# KiCad board sample013-sdi-mipi-video-converter.kicad_pcb (continued)
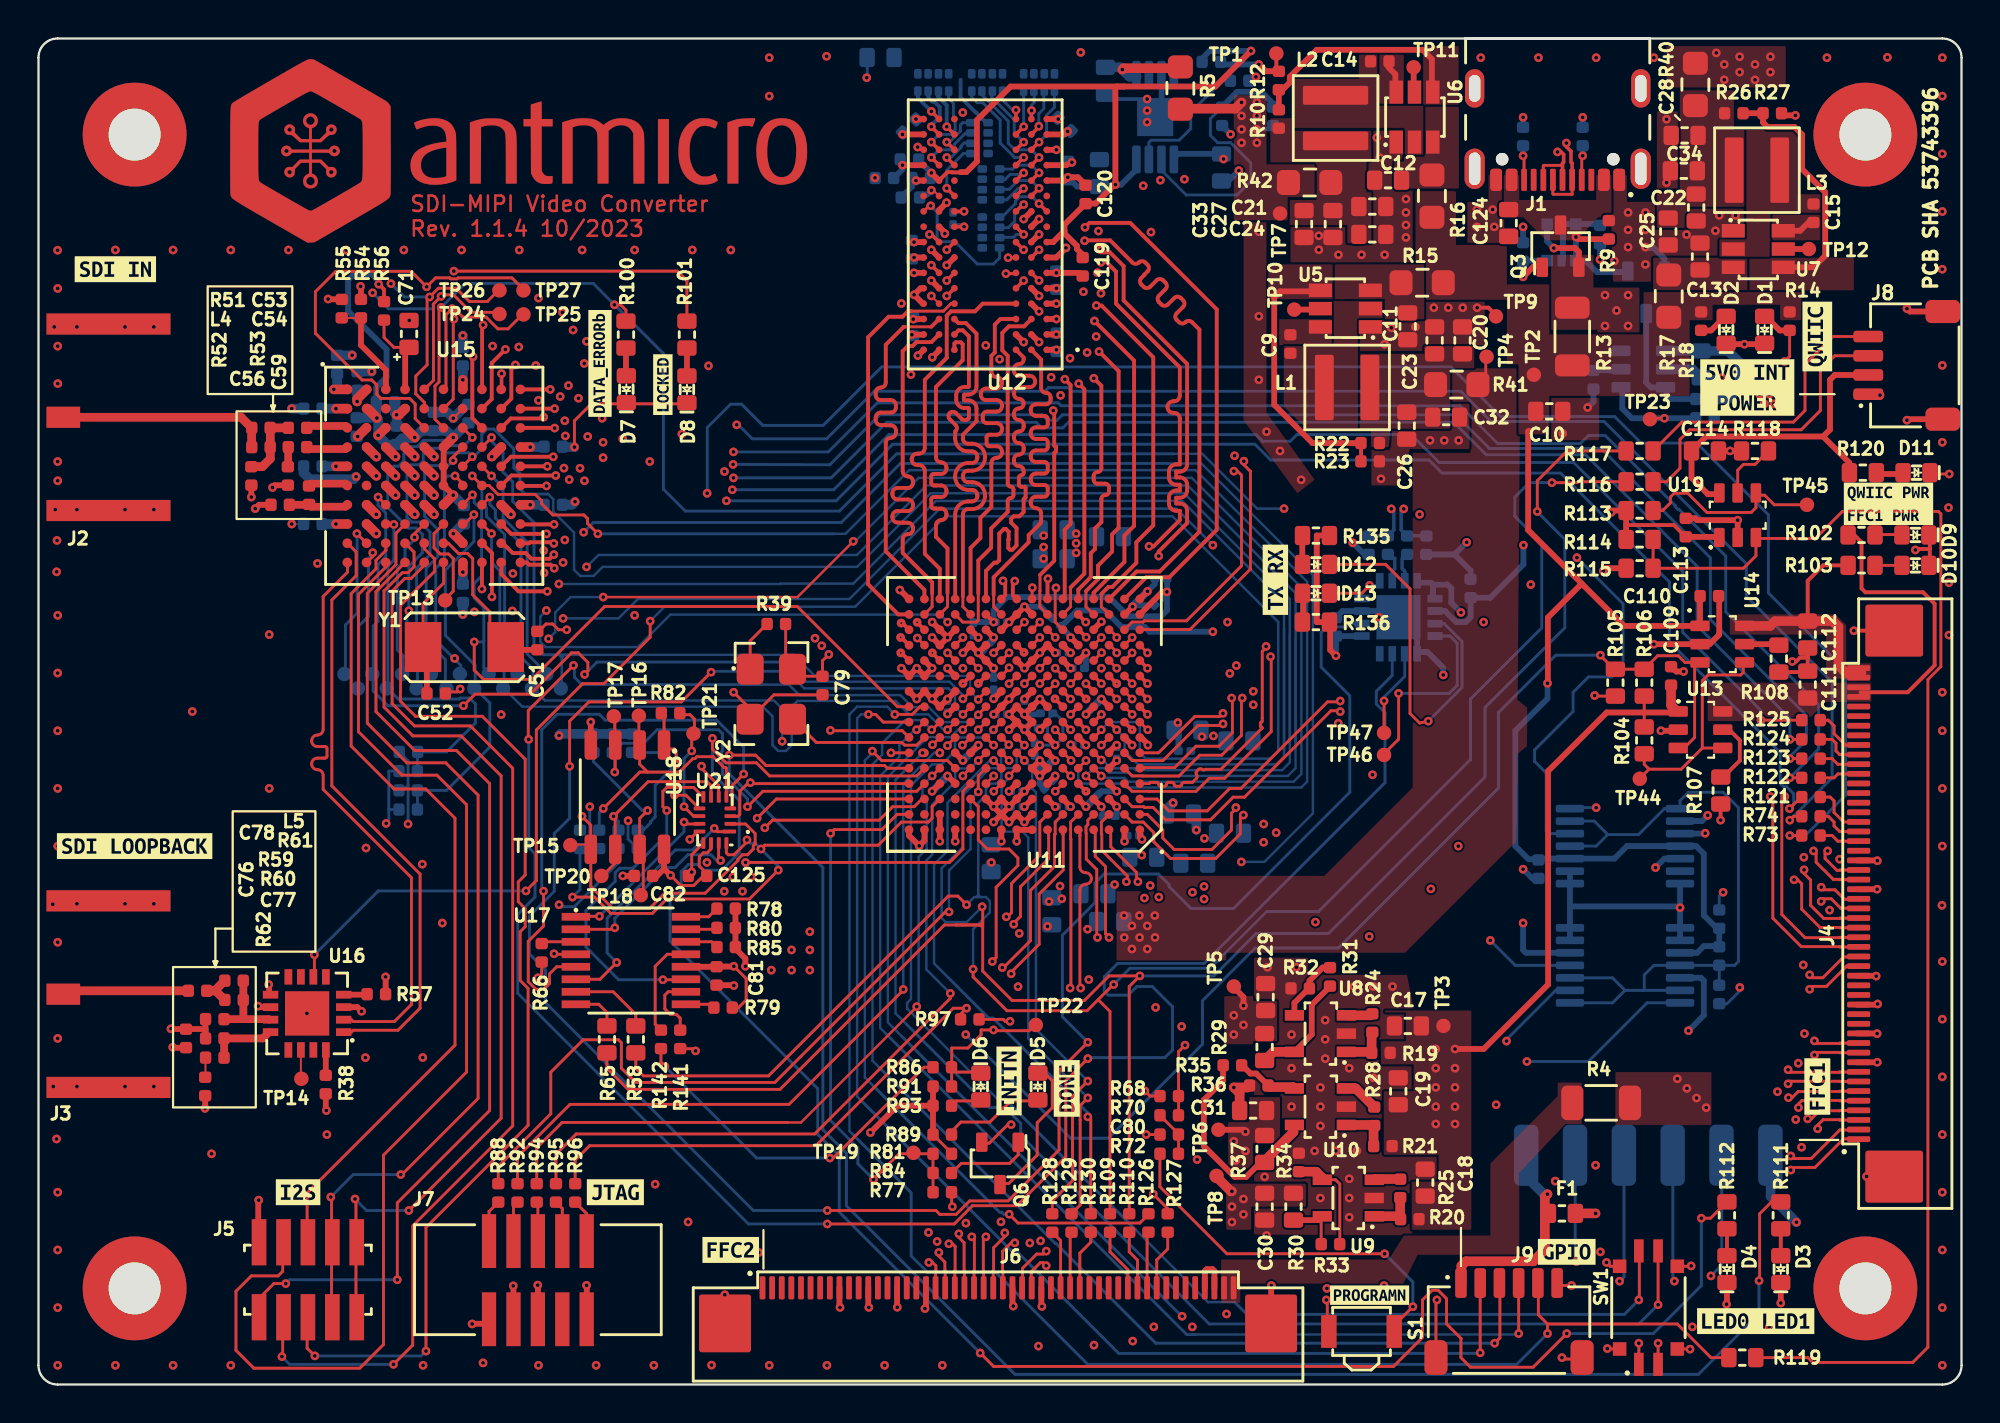
[diagram p0: board, top side]
## Routing (per net, layer and track width the routed paths; a pad name or vN(x,y) marks a point on that pad's centre or on a via; arc(x,y) is an arc through that point) (continued)
/Peripherals/FFC2_3V3: length 2.3
  Top w0.3: 60.65,5.03 60.65,5.9 60.75,6 61.05,6 61.15,5.9 61.15,5.03
/Peripherals/FFC2_RESET: length 26.2
  Top w0.15: 53.72,8.89 54.17,9.34 54.17,13.75 54.17,13.75 54.17,14.5 v1(54.57,14.9) ; 50.45,31.65 50.85,32.05
  Bottom w0.125: v1(50.47,31.65) 50.47,31.55 50.08,31.16 50.08,28.94 50.27,28.75 51.17,28.75 51.47,28.45 51.47,18 v1(54.57,14.9)
/Peripherals/FFC2_VSYNC0: length 26.2
  Top w0.15: v1(54.57,15.78) 53.77,14.98 53.77,10.6 52.72,9.55 52.72,8.89 ; v1(51.27,32.45) 50.94,32.78
  Bottom w0.125: v1(51.27,32.45) 51.67,32.05 51.67,31 51.87,30.8 51.87,18.48 v1(54.57,15.78)
/Peripherals/FFC2_VSYNC1: length 29
  Top w0.15: 54.72,8.89 54.72,13.77 v1(54.57,13.92) ; v1(49.67,32.45) U11.E10
  Bottom w0.125: v1(49.67,32.45) 49.47,32.45 47.27,30.25 47.27,27.75 46.57,27.05 46.57,21.9 47.34,21.13
  Bottom w0.15: 47.34,21.13 49.41,19.06 49.63,19.06 54.57,14.12 v1(54.57,13.92)
/Peripherals/FTDI_VCCIO: length 21.7
  Top w0.3: v1(67.47,37.9) 67.17,38.2 67.17,39.65 66.47,39.65 66.47,44.15 67.17,44.15
  In2.Cu w0.5: v1(67.47,37.9) 68.97,37.9 71.22,40.15 v1(73.97,40.15)
  Bottom w0.3: 72.52,41.6 72.42,41.7 71.69,41.7 ; 72.52,41.6 73.27,41.6 73.47,41.4 73.47,40.65 v1(73.97,40.15) ; 72.52,41.6 72.52,40.88 ; 68.92,38.93 67.48,38.93 ; 67.47,38.92 v1(67.47,37.9)
/Peripherals/MIPI0_CLK_N: length 55
  Top w0.15: v1(92.35,17.14) 92.48,17.27 93.65,17.27 93.67,17.26 94.57,17.26 ; v1(64.07,37.85) 64.1,37.82 64.1,33.95 61.68,31.53 60.88,31.53 60.2,30.85 57.74,30.85 57.73,30.85 56.87,30.85 U11.D2
  In4.Cu w0.168: v1(64.07,37.85) 64.64,38.42 73.18,38.42 79.55,32.05 79.55,29.01 87.59,20.97 87.59,19.93 90.25,17.27 92.22,17.27 v1(92.35,17.14)
/Peripherals/MIPI0_CLK_P: length 55
  Top w0.15: U11.D1 57.75,31.25 57.82,31.31 58.15,31.31 arc(58.22,31.28) 58.25,31.21 arc(58.28,31.14) 58.35,31.11 58.55,31.11 arc(58.62,31.14) 58.65,31.21 arc(58.68,31.28) 58.75,31.31 58.95,31.31 arc(59.02,31.28) 59.05,31.21 arc(59.08,31.14) 59.15,31.11 59.35,31.11 arc(59.42,31.14) 59.45,31.21 arc(59.48,31.28) 59.55,31.31 60,31.31 60.22,31.53 arc(60.26,31.62) 60.22,31.71 arc(60.19,31.8) 60.22,31.89 60.33,31.99 arc(60.42,32.03) 60.51,31.99 arc(60.6,31.96) 60.68,31.99 61.48,31.99 63.64,34.15 arc(63.62,34.18) 63.59,34.2 arc(63.55,34.21) 63.54,34.25 63.54,34.4 arc(63.55,34.43) 63.59,34.45 arc(63.62,34.46) 63.64,34.5 63.64,38.13 63.84,38.33 v1(63.84,38.38) ; 94.57,17.76 93.67,17.76 93.65,17.74 92.48,17.74 v1(92.35,17.87)
  In4.Cu w0.168: v1(92.35,17.87) 92.22,17.74 90.45,17.74 88.07,20.13 88.07,21.17 80.03,29.21 80.03,32.25 73.38,38.9 64.46,38.9 63.94,38.38 v1(63.84,38.38) 63.89,38.38
/Peripherals/MIPI0_D0_N: length 54.4
  Top w0.15: v1(90.98,15.64) 91.11,15.77 93.65,15.77 93.67,15.76 94.57,15.76 ; U11.E2 56.87,31.65 57.41,31.65 57.42,31.64 59.3,31.64 60.39,32.73 61.53,32.73 62.55,33.75 62.55,35.66 v1(62.59,35.7)
  In4.Cu w0.168: v1(62.59,35.7) 62.55,35.74 62.55,36.17 63.08,36.69 64.83,36.69 arc(65.17,36.83) 65.31,37.17 65.31,37.41 66,37.41 66,36.46 arc(66.14,36.12) 66.48,35.98 67.17,35.98 arc(67.5,36.12) 67.64,36.46 67.64,36.69 71.06,36.69 77.68,30.07 77.68,27.43 89.35,15.77 90.85,15.77 v1(90.98,15.64)
/Peripherals/MIPI0_D0_P: length 54.1
  Top w0.15: v1(62.04,35.7) 62.09,35.66 62.09,33.9 61.38,33.19 60.19,33.19 59.08,32.08 57.52,32.08 57.49,32.05 U11.E1 ; 94.57,16.26 93.67,16.26 93.65,16.24 91.11,16.24 v1(90.98,16.37)
  In4.Cu w0.168: v1(90.98,16.37) 90.85,16.24 89.54,16.24 78.16,27.63 78.16,30.27 71.26,37.17 67.64,37.17 arc(67.31,37.03) 67.17,36.69 67.17,36.46 66.48,36.46 66.48,37.41 arc(66.34,37.74) 66,37.88 65.31,37.88 arc(64.97,37.74) 64.83,37.41 64.83,37.17 64.03,37.17 arc(63.84,37.25) 63.76,37.44 arc(63.68,37.64) 63.48,37.72 63.43,37.72 arc(63.24,37.64) 63.16,37.44 arc(63.08,37.25) 62.88,37.17 62.09,36.37 62.09,35.74 v1(62.04,35.7)
/Peripherals/MIPI0_D1_N: length 55.3
  Top w0.15: 94.57,14.76 93.67,14.76 93.65,14.77 91.7,14.77 91.52,14.59 v1(91.52,14.4) ; U11.C2 56.87,30.05 57.47,30.05 57.51,30.01 57.96,30.01 58.6,29.37 60.95,29.37 62.12,30.55 62.71,30.55 67.21,35.04 67.65,35.04 v1(67.69,35)
  In4.Cu w0.168: v1(67.69,35) 67.73,35.03 69.14,35.03 70.74,33.43 arc(71.14,33.27) 71.54,33.43 71.71,33.6 arc(71.77,33.63) 71.83,33.6 72.2,33.23 arc(72.22,33.17) 72.2,33.11 71.4,32.31 arc(71.24,31.92) 71.4,31.52 71.77,31.15 arc(72.16,30.99) 72.56,31.15 73.36,31.95 arc(73.42,31.97) 73.48,31.95 73.85,31.58 arc(73.87,31.52) 73.85,31.46 73.68,31.29 arc(73.51,30.89) 73.68,30.49 75.49,28.69 75.49,26.84 88.29,14.03 90.97,14.03 91.34,14.4 v1(91.52,14.4)
/Peripherals/MIPI0_D1_P: length 55.1
  Top w0.15: U11.C1 58.16,30.45 58.78,29.83 60.77,29.83 61.94,31 62.53,31 67.03,35.5 67.65,35.5 v1(67.69,35.55) ; v1(91,14.92) 91.19,14.92 91.51,15.24 93.65,15.24 93.67,15.26 94.57,15.26
  In4.Cu w0.168: v1(91,14.92) 91,14.74 90.77,14.51 88.49,14.51 75.95,27.04 75.95,28.89 74.02,30.83 arc(73.99,30.89) 74.02,30.95 74.18,31.12 arc(74.35,31.52) 74.18,31.92 73.82,32.28 arc(73.42,32.45) 73.02,32.28 72.23,31.49 arc(72.16,31.46) 72.1,31.49 71.74,31.85 arc(71.71,31.92) 71.74,31.98 72.53,32.77 arc(72.7,33.17) 72.53,33.57 72.17,33.94 arc(71.77,34.1) 71.37,33.94 71.2,33.77 arc(71.14,33.74) 71.08,33.77 69.34,35.51 arc(69.11,35.6) 69.01,35.83 arc(68.92,36.06) 68.69,36.16 68.54,36.16 arc(68.31,36.06) 68.21,35.83 arc(68.12,35.6) 67.89,35.51 67.73,35.51 v1(67.69,35.55)
/Peripherals/MIPI0_D2_N: length 53.5
  Top w0.15: v1(92.52,13.3) 92.52,13.49 92.8,13.77 93.65,13.77 93.67,13.76 94.57,13.76 ; 57.45,32.45 58.47,32.45 60.29,34.27 61.51,34.27 v1(61.6,34.36) ; 57.45,32.45 56.87,32.45 U11.F2
  In4.Cu w0.168: v1(92.52,13.3) 92.34,13.3 91.91,12.87 86.4,12.87 72.32,26.95 arc(72.13,27.42) 72.32,27.89 72.49,28.06 arc(72.55,28.19) 72.49,28.32 72.2,28.62 arc(72.06,28.67) 71.93,28.62 70.99,27.68 arc(70.52,27.49) 70.06,27.68 69.76,27.98 arc(69.57,28.44) 69.76,28.91 70.7,29.85 arc(70.75,29.98) 70.7,30.11 70.4,30.41 arc(70.27,30.46) 70.14,30.41 69.97,30.24 arc(69.5,30.05) 69.03,30.24 68.25,31.02 66.68,31.02 63.31,34.39 61.63,34.39
/Peripherals/MIPI0_D2_P: length 53.6
  Top w0.15: v1(61.6,34.91) 61.43,34.74 60.13,34.74 58.24,32.85 U11.F1 ; v1(92,13.82) 92.19,13.82 92.61,14.24 93.65,14.24 93.67,14.26 94.57,14.26
  In4.Cu w0.168: v1(92,13.82) 92,13.64 91.71,13.35 86.6,13.35 72.66,27.29 arc(72.6,27.42) 72.66,27.55 72.83,27.72 arc(73.02,28.19) 72.83,28.66 72.53,28.95 arc(72.06,29.15) 71.59,28.95 70.66,28.02 arc(70.52,27.96) 70.39,28.02 70.1,28.31 arc(70.04,28.44) 70.1,28.58 71.03,29.51 arc(71.23,29.98) 71.03,30.45 70.74,30.75 arc(70.27,30.94) 69.8,30.75 69.63,30.58 arc(69.5,30.52) 69.37,30.58 68.45,31.5 66.88,31.5 64.59,33.79 arc(64.5,34) 64.59,34.21 64.7,34.33 arc(64.79,34.54) 64.7,34.75 arc(64.49,34.84) 64.28,34.75 64.16,34.64 arc(63.95,34.55) 63.74,34.64 63.51,34.87 61.63,34.87
/Peripherals/MIPI0_D3_N: length 54.1
  Top w0.15: v1(91.12,11.15) 91.25,11.29 92.38,11.29 93.86,12.77 94.1,12.77 ; v1(62.65,29.62) 62.6,29.62 62.5,29.52 62.5,28.64 61.22,27.36 58.86,27.36 58,28.22 58,28.7 57.45,29.25 56.87,29.25 U11.B2
  In4.Cu w0.168: v1(91.12,11.15) 90.99,11.28 84.17,11.28 75.87,19.58 arc(75.68,20.05) 75.87,20.52 76.04,20.69 arc(76.09,20.82) 76.04,20.95 75.35,21.64 arc(75.22,21.69) 75.09,21.64 74.15,20.7 arc(73.68,20.51) 73.21,20.7 72.53,21.39 arc(72.34,21.85) 72.53,22.32 73.47,23.26 arc(73.52,23.39) 73.47,23.53 72.78,24.21 arc(72.65,24.26) 72.52,24.21 72.35,24.04 arc(71.88,23.85) 71.41,24.04 65.44,30.01 63,30.01 62.65,29.67 v1(62.65,29.62)
/Peripherals/MIPI0_D3_P: length 53.9
  Top w0.15: v1(62.27,30) 62.27,29.95 62.03,29.71 62.03,28.83 61.02,27.82 59.06,27.82 58.46,28.42 58.46,28.85 57.66,29.65 U11.B1 ; v1(91.12,11.89) 91.25,11.75 92.18,11.75 93.67,13.24 94.1,13.24
  In4.Cu w0.168: 62.32,30 62.8,30.49 63.01,30.49 arc(63.22,30.58) 63.31,30.79 63.31,30.89 arc(63.4,31.1) 63.61,31.19 arc(63.82,31.1) 63.91,30.89 63.91,30.79 arc(64,30.58) 64.21,30.49 65.64,30.49 71.75,24.38 arc(71.88,24.32) 72.01,24.38 72.18,24.55 arc(72.65,24.74) 73.12,24.55 73.8,23.86 arc(74,23.39) 73.8,22.92 72.87,21.99 arc(72.81,21.85) 72.87,21.72 73.55,21.04 arc(73.68,20.98) 73.82,21.04 74.75,21.97 arc(75.22,22.17) 75.69,21.97 76.37,21.29 arc(76.57,20.82) 76.37,20.35 76.21,20.19 arc(76.15,20.05) 76.21,19.92 84.37,11.76 90.99,11.76 v1(91.12,11.89)
/Peripherals/MIPI1_CLK_N: length 34
  Top w0.15: v1(52.4,6.94) 52.25,6.79 51.91,6.79 51.17,6.05 51.17,5.5 ; U11.B5 53.67,29.25 53.67,28.37 53.69,28.35 53.69,20.66 v1(53.65,20.62)
  In4.Cu w0.168: v1(52.4,6.94) 52.55,6.8 53.5,6.8 53.68,6.98 53.68,9.37 arc(53.64,9.46) 53.55,9.5 53.14,9.5 arc(52.71,9.68) 52.53,10.11 arc(52.71,10.54) 53.14,10.72 54.7,10.72 arc(54.79,10.76) 54.83,10.85 arc(54.79,10.95) 54.7,10.99 54.29,10.99 arc(53.86,11.17) 53.68,11.6 53.68,16.88 arc(53.59,17.1) 53.37,17.19 53.13,17.19 arc(52.58,17.42) 52.34,17.98 arc(52.58,18.53) 53.13,18.77 54.71,18.77 arc(54.93,18.86) 55.02,19.08 arc(54.93,19.3) 54.71,19.39 54.47,19.39 arc(53.91,19.62) 53.68,20.18 53.68,20.58 v1(53.65,20.62)
/Peripherals/MIPI1_CLK_P: length 33.7
  Top w0.15: 54.16,28.76 54.16,28.54 54.15,28.53 54.15,26.92 arc(54.24,26.7) 54.45,26.62 arc(54.67,26.53) 54.75,26.32 arc(54.67,26.1) 54.45,26.02 arc(54.24,25.93) 54.15,25.72 54.15,20.66 v1(54.19,20.62) ; v1(52.4,6.18) 52.25,6.33 52.09,6.33 51.62,5.87 51.62,5.5
  In4.Cu w0.168: v1(52.4,6.18) 52.55,6.32 53.7,6.32 54.16,6.78 54.16,9.37 arc(53.98,9.8) 53.55,9.98 53.14,9.98 arc(53.05,10.02) 53.01,10.11 arc(53.05,10.21) 53.14,10.25 54.7,10.25 arc(55.13,10.42) 55.31,10.85 arc(55.13,11.29) 54.7,11.46 54.29,11.46 arc(54.2,11.5) 54.16,11.6 54.16,16.88 arc(53.93,17.43) 53.37,17.67 53.13,17.67 arc(52.91,17.76) 52.82,17.98 arc(52.91,18.2) 53.13,18.29 54.71,18.29 arc(55.26,18.52) 55.5,19.08 arc(55.26,19.63) 54.71,19.87 54.47,19.87 arc(54.25,19.96) 54.16,20.18 54.16,20.58 v1(54.19,20.62)
/Peripherals/MIPI1_D0_N: length 33.3
  Top w0.15: v1(55.07,23.25) 55.03,23.29 55.03,26.78 54.49,27.32 54.49,28.67 ; 54.47,28.68 54.47,29.02 54.57,29.12 54.57,29.35 U11.B4 ; 49.65,5.03 49.65,5.93 49.67,5.94 49.67,7.12 50.25,7.7 v1(50.25,7.89)
  In4.Cu w0.168: v1(50.25,7.89) 50.43,7.89 51.33,8.79 51.33,11.15 arc(51.29,11.25) 51.2,11.29 50.76,11.29 arc(50.33,11.46) 50.16,11.9 arc(50.33,12.33) 50.76,12.5 52.38,12.5 arc(52.47,12.54) 52.51,12.64 arc(52.47,12.73) 52.38,12.77 51.94,12.77 arc(51.51,12.95) 51.33,13.38 arc(51.51,13.81) 51.94,13.99 52.38,13.99 arc(52.47,14.03) 52.51,14.12 arc(52.47,14.22) 52.38,14.26 51.94,14.26 arc(51.51,14.44) 51.33,14.87 51.33,20.06 52.82,21.55 53.6,21.55 55.13,23.08 55.13,23.19 v1(55.07,23.25)
/Peripherals/MIPI1_D0_P: length 33
  Top w0.15: v1(55.67,23.25) 55.48,23.44 55.48,26.94 54.95,27.48 54.95,28.67 ; v1(50.77,7.37) 50.58,7.37 50.13,6.92 50.13,5.94 50.15,5.93 50.15,5.03
  In4.Cu w0.168: v1(50.77,7.37) 50.77,7.55 51.81,8.59 51.81,11.15 arc(51.63,11.58) 51.2,11.76 50.76,11.76 arc(50.67,11.8) 50.63,11.9 arc(50.67,11.99) 50.76,12.03 52.38,12.03 arc(52.81,12.21) 52.98,12.64 arc(52.81,13.07) 52.38,13.25 51.94,13.25 arc(51.85,13.29) 51.81,13.38 arc(51.85,13.48) 51.94,13.52 52.38,13.52 arc(52.81,13.69) 52.98,14.12 arc(52.81,14.56) 52.38,14.73 51.94,14.73 arc(51.85,14.77) 51.81,14.87 51.81,19.86 53.02,21.07 53.8,21.07 54.58,21.85 arc(54.77,21.93) 54.96,21.85 55,21.81 arc(55.19,21.73) 55.39,21.81 arc(55.47,22.01) 55.39,22.2 55.35,22.24 arc(55.27,22.43) 55.35,22.63 55.61,22.88 55.61,23.19 v1(55.67,23.25)
/Peripherals/MIPI1_D1_N: length 34.4
  Top w0.15: U11.B6 52.87,29.25 52.87,28.62 52.86,28.62 52.83,28.6 52.83,26.94 51.58,25.69 51.58,23.08 50.21,21.71 50.15,21.71 v1(50.12,21.68) ; 48.65,5.03 48.65,5.93 48.67,5.94 48.67,7.55 v1(48.53,7.68)
  In4.Cu w0.168: v1(48.53,7.68) 48.66,7.81 48.66,10.13 48.67,10.14 48.66,10.14 48.66,12.09 arc(48.59,12.27) 48.4,12.35 48.16,12.35 arc(47.64,12.57) 47.42,13.09 47.42,13.34 arc(47.64,13.86) 48.16,14.08 49.64,14.08 arc(49.82,14.15) 49.9,14.34 49.9,14.59 arc(49.82,14.77) 49.64,14.85 48.16,14.85 arc(47.64,15.07) 47.42,15.59 47.42,15.84 arc(47.64,16.36) 48.16,16.58 49.64,16.58 arc(49.82,16.65) 49.9,16.84 49.9,17.09 arc(49.82,17.27) 49.64,17.35 49.4,17.35 arc(48.88,17.57) 48.66,18.09 48.66,20.18 50.15,21.66
/Peripherals/MIPI1_D1_P: length 34.3
  Top w0.15: v1(49.27,7.68) 49.13,7.55 49.13,5.94 49.15,5.93 49.15,5.03 ; U11.A6 53.27,28.62 53.29,28.6 53.29,26.76 52.04,25.51 52.04,22.9 50.53,21.39
  In4.Cu w0.168: v1(49.27,7.68) 49.14,7.81 49.14,10.13 49.13,10.14 49.14,10.14 49.14,12.09 arc(48.92,12.61) 48.4,12.83 48.16,12.83 arc(47.98,12.9) 47.9,13.09 47.9,13.34 arc(47.98,13.52) 48.16,13.6 49.64,13.6 arc(50.16,13.82) 50.38,14.34 50.38,14.59 arc(50.16,15.11) 49.64,15.33 48.16,15.33 arc(47.98,15.4) 47.9,15.59 47.9,15.84 arc(47.98,16.02) 48.16,16.1 49.64,16.1 arc(50.16,16.32) 50.38,16.84 50.38,17.09 arc(50.16,17.61) 49.64,17.83 49.4,17.83 arc(49.21,17.9) 49.14,18.09 49.14,20 49.27,20.13 arc(49.48,20.22) 49.69,20.13 49.76,20.06 arc(49.98,19.97) 50.19,20.06 arc(50.28,20.27) 50.19,20.48 50.12,20.55 arc(50.03,20.77) 50.12,20.98 50.5,21.36 v1(50.58,21.36)
/Peripherals/MIPI1_D2_N: length 33.7
  Top w0.15: v1(56.57,26.15) 56.64,26.22 56.64,26.43 55.29,27.78 55.29,28.63 ; U11.B3 55.27,29.25 55.27,28.64 ; v1(47.34,7.32) 47.53,7.32 47.67,7.18 47.67,5.94 47.65,5.93 47.65,5.03
  In4.Cu w0.168: v1(56.57,26.15) 56.64,26.08 56.64,25.77 56.3,25.43 54.66,25.43 52.22,22.99 48.47,22.99 46.07,20.59 46.07,8.77 47.34,7.5 v1(47.34,7.32)
/Peripherals/MIPI1_D2_P: length 33.2
  Top w0.15: v1(47.86,7.84) 47.86,7.65 48.13,7.38 48.13,5.94 48.15,5.93 48.15,5.03 ; 55.76,28.63 55.76,27.97 57.1,26.63 57.1,26.22 v1(57.17,26.15)
  In4.Cu w0.168: v1(47.86,7.84) 47.68,7.84 46.55,8.97 46.55,20.39 48.67,22.51 52.41,22.51 54.87,24.97 55.16,24.97 arc(55.34,24.89) 55.41,24.72 55.41,24.67 arc(55.49,24.49) 55.66,24.42 arc(55.84,24.49) 55.91,24.67 55.91,24.72 arc(55.99,24.89) 56.16,24.97 56.5,24.97 57.1,25.57 57.1,26.08 v1(57.17,26.15)
/Peripherals/MIPI1_D3_N: length 33.5
  Top w0.15: v1(50.33,24.32) 50.38,24.32 50.6,24.54 50.6,26.06 52.07,27.53 52.07,29.25 U11.B7 ; v1(46.3,6.35) 46.49,6.35 46.67,6.17 46.67,5.94 46.65,5.93 46.65,5.03
  In4.Cu w0.168: v1(46.3,6.35) 46.3,6.53 45.79,7.04 arc(45.76,7.03) 45.74,6.99 arc(45.73,6.96) 45.69,6.94 45.44,6.94 arc(45.41,6.96) 45.39,6.99 arc(45.38,7.03) 45.34,7.04 44.48,7.04 43.93,7.59 43.93,23.25 44.77,24.09 50.15,24.09 50.33,24.27 v1(50.33,24.32)
/Peripherals/MIPI1_D3_P: length 33.4
  Top w0.15: 52.53,28.79 52.53,28.56 52.53,27.35 51.06,25.88 51.06,24.34 50.71,23.99 v1(50.71,23.94) ; 47.15,5.03 47.15,5.93 47.13,5.94 47.13,6.37 46.82,6.68 v1(46.82,6.87)
  In4.Cu w0.168: 50.66,23.94 v1(50.71,23.94) 50.66,23.94 50.33,23.61 47.56,23.61 arc(47.35,23.52) 47.26,23.31 47.26,23.16 arc(47.17,22.95) 46.96,22.86 arc(46.75,22.95) 46.66,23.16 46.66,23.31 arc(46.57,23.52) 46.36,23.61 44.97,23.61 44.41,23.05 44.41,7.77 44.66,7.52 45.99,7.52 46.64,6.87 v1(46.82,6.87)
/Peripherals/MIPI2_CLK_N: length 71.3
  Top w0.15: v1(92.3,27.75) 92.44,27.62 92.44,27.16 93.33,26.27 93.65,26.27 93.67,26.26 94.57,26.26 ; v1(62.16,47.5) 62.35,47.5 62.56,47.29 62.56,42.58 59.7,39.72 57.5,39.72 57.44,39.65 56.87,39.65 U11.P2
  In4.Cu w0.168: v1(92.3,27.75) 92.43,27.88 92.43,38.62 92.32,38.74 arc(92.26,38.76) 92.21,38.74 arc(92.16,38.72) 92.1,38.74 92,38.84 arc(91.98,38.9) 92,38.95 arc(92.02,39) 92,39.06 86.75,44.3 arc(86.57,44.73) 86.75,45.17 87.06,45.47 arc(87.1,45.57) 87.06,45.67 arc(86.96,45.71) 86.87,45.67 85.72,44.52 arc(85.29,44.34) 84.86,44.52 arc(84.68,44.96) 84.86,45.39 86,46.53 arc(86.04,46.63) 86,46.73 arc(85.9,46.77) 85.81,46.73 84.66,45.58 arc(84.23,45.4) 83.8,45.58 arc(83.62,46.02) 83.8,46.45 84.94,47.59 arc(84.98,47.69) 84.94,47.79 arc(84.84,47.83) 84.75,47.79 84.44,47.48 arc(84.01,47.3) 83.57,47.48 83.23,47.82 65.44,47.82 64.79,47.17 62.67,47.17 62.34,47.5 v1(62.16,47.5)
/Peripherals/MIPI2_CLK_P: length 71.4
  Top w0.15: v1(93.04,27.75) 92.9,27.62 92.9,27.36 93.52,26.74 93.65,26.74 93.67,26.76 94.57,26.76 ; v1(62.68,48.02) 62.68,47.83 63.02,47.49 63.02,42.4 59.88,39.27 57.28,39.27
  In4.Cu w0.168: v1(93.04,27.75) 92.91,27.88 92.91,38.82 87.09,44.64 arc(87.05,44.73) 87.09,44.83 87.4,45.14 arc(87.58,45.57) 87.4,46 arc(86.96,46.18) 86.53,46 85.39,44.86 arc(85.29,44.82) 85.19,44.86 arc(85.15,44.96) 85.19,45.05 86.34,46.2 arc(86.52,46.63) 86.34,47.06 arc(85.9,47.24) 85.47,47.06 84.33,45.92 arc(84.23,45.88) 84.13,45.92 arc(84.09,46.02) 84.13,46.11 85.28,47.26 arc(85.45,47.69) 85.28,48.12 arc(84.84,48.3) 84.41,48.12 84.1,47.82 arc(84.01,47.78) 83.91,47.82 83.43,48.3 65.24,48.3 64.59,47.65 64.07,47.65 arc(63.91,47.71) 63.84,47.87 arc(63.78,48.03) 63.62,48.1 63.57,48.1 arc(63.41,48.03) 63.34,47.87 arc(63.28,47.71) 63.12,47.65 62.87,47.65 62.68,47.84 v1(62.68,48.02)
/Peripherals/MIPI2_D0_N: length 69.6
  Top w0.15: v1(92.7,25.13) 92.84,25.26 93.23,25.26 93.71,24.77 94.1,24.77 ; 55.71,38.45 56.07,38.09 v1(56.07,38.05)
  In4.Cu w0.15: v1(56.07,38.05) 56.47,38.45 56.47,39.02 56.7,39.25 57.12,39.25
  In4.Cu w0.168: v1(92.7,25.13) 92.57,25.26 88.73,25.26 85.28,28.7 85.28,35.2 83.53,36.95 arc(83.44,36.99) 83.34,36.95 82.99,36.6 arc(82.56,36.42) 82.13,36.6 arc(81.95,37.03) 82.13,37.46 83.11,38.44 arc(83.12,38.47) 83.11,38.49 82.97,38.63 arc(82.94,38.64) 82.92,38.63 82.75,38.46 arc(82.39,38.31) 82.02,38.46 arc(81.85,38.89) 82.02,39.32 82.37,39.67 arc(82.41,39.77) 82.37,39.86 arc(82.28,39.9) 82.18,39.86 80.96,38.64 arc(80.53,38.46) 80.1,38.64 arc(79.92,39.07) 80.1,39.5 81.32,40.72 arc(81.36,40.82) 81.32,40.91 arc(81.23,40.95) 81.13,40.91 80.78,40.56 arc(80.35,40.38) 79.92,40.56 78.02,42.47 74.54,42.47 arc(74.49,42.45) 74.47,42.4 74.47,42.17 arc(74.31,41.79) 73.94,41.63 73.69,41.63 arc(73.31,41.79) 73.15,42.17 73.15,43.23 arc(73.13,43.28) 73.09,43.3 72.84,43.3 arc(72.79,43.28) 72.77,43.23 72.77,42.17 arc(72.61,41.79) 72.24,41.63 71.99,41.63 arc(71.61,41.79) 71.45,42.17 71.45,43.23 arc(71.43,43.28) 71.39,43.3 71.14,43.3 arc(71.09,43.28) 71.07,43.23 71.07,42.17 arc(70.91,41.79) 70.54,41.63 70.29,41.63 arc(69.91,41.79) 69.75,42.17 69.75,43.23 arc(69.73,43.28) 69.69,43.3 69.44,43.3 arc(69.39,43.28) 69.37,43.23 69.37,43 arc(69.21,42.62) 68.84,42.47 63.47,42.47 60.25,39.25 57.12,39.25
/Peripherals/MIPI2_D0_P: length 70.1
  Top w0.15: v1(56.07,38.85) 56.07,38.89 55.71,39.25 ; 94.1,25.24 93.91,25.24 93.42,25.73 92.84,25.73 v1(92.7,25.86)
  In4.Cu w0.15: v1(56.07,38.85) 56.07,39.15 56.67,39.75 56.97,39.75
  In4.Cu w0.168: v1(92.7,25.86) 92.57,25.73 88.92,25.73 88.82,25.83 arc(88.81,25.87) 88.82,25.9 arc(88.84,25.94) 88.82,25.97 88.7,26.09 arc(88.67,26.11) 88.63,26.09 arc(88.6,26.08) 88.56,26.09 85.76,28.9 85.76,35.4 83.87,37.29 arc(83.44,37.47) 83.01,37.29 82.66,36.94 arc(82.56,36.9) 82.47,36.94 arc(82.43,37.03) 82.47,37.13 83.44,38.1 arc(83.59,38.47) 83.44,38.83 83.31,38.96 arc(82.94,39.11) 82.58,38.96 82.41,38.8 arc(82.39,38.79) 82.36,38.8 arc(82.32,38.89) 82.36,38.99 82.71,39.34 arc(82.89,39.77) 82.71,40.2 arc(82.28,40.38) 81.85,40.2 80.62,38.97 arc(80.53,38.93) 80.43,38.97 arc(80.39,39.07) 80.43,39.16 81.66,40.39 arc(81.84,40.82) 81.66,41.25 arc(81.23,41.43) 80.8,41.25 80.45,40.9 arc(80.35,40.86) 80.26,40.9 78.22,42.93 74.54,42.93 arc(74.16,42.78) 74,42.4 74,42.17 arc(73.98,42.12) 73.94,42.1 73.69,42.1 arc(73.64,42.12) 73.62,42.17 73.62,43.23 arc(73.46,43.61) 73.09,43.77 72.84,43.77 arc(72.46,43.61) 72.3,43.23 72.3,42.17 arc(72.28,42.12) 72.24,42.1 71.99,42.1 arc(71.94,42.12) 71.92,42.17 71.92,43.23 arc(71.76,43.61) 71.39,43.77 71.14,43.77 arc(70.76,43.61) 70.6,43.23 70.6,42.17 arc(70.58,42.12) 70.54,42.1 70.29,42.1 arc(70.24,42.12) 70.22,42.17 70.22,43.23 arc(70.06,43.61) 69.69,43.77 69.44,43.77 arc(69.06,43.61) 68.9,43.23 68.9,43 arc(68.88,42.95) 68.84,42.93 63.27,42.93 60.09,39.75 58.64,39.75 arc(58.43,39.84) 58.34,40.05 arc(58.25,40.26) 58.04,40.35 arc(57.83,40.26) 57.74,40.05 arc(57.65,39.84) 57.44,39.75 56.97,39.75
/Peripherals/MIPI2_D1_N: length 71.6
  Top w0.15: 94.57,23.76 93.67,23.76 93.65,23.77 92.64,23.77 91.69,24.72 91.69,26.04 91.48,26.25 v1(91.29,26.25) ; U11.M4 v1(55.28,38.06)
  In4.Cu w0.15: v1(55.28,38.06) 55.68,38.46 55.68,38.68 55.67,38.68 55.67,39.15 56.07,39.55 56.07,39.87 56.1,39.91
  In4.Cu w0.168: v1(91.29,26.25) 91.29,26.44 87.32,30.41 87.32,37.87 86.7,38.49 arc(86.5,38.97) 86.7,39.46 86.87,39.62 arc(86.93,39.77) 86.87,39.93 86.85,39.94 arc(86.7,40) 86.55,39.94 85.58,38.97 arc(85.1,38.77) 84.61,38.97 84.6,38.98 arc(84.4,39.47) 84.6,39.95 85.57,40.92 arc(85.63,41.07) 85.57,41.22 85.56,41.24 arc(85.4,41.3) 85.25,41.24 84.28,40.27 arc(83.8,40.07) 83.32,40.27 83.3,40.28 arc(83.1,40.77) 83.3,41.25 84.27,42.22 arc(84.33,42.37) 84.27,42.52 84.26,42.54 arc(84.1,42.6) 83.95,42.54 82.98,41.57 arc(82.5,41.37) 82.02,41.57 82,41.58 arc(81.8,42.06) 82,42.55 82.97,43.52 arc(83.03,43.67) 82.97,43.82 82.96,43.83 arc(82.81,43.9) 82.65,43.83 81.74,42.92 arc(81.31,42.74) 80.88,42.92 80.76,43.04 arc(80.58,43.47) 80.76,43.9 80.92,44.07 arc(80.97,44.16) 80.92,44.26 80.79,44.4 60.95,44.4 58.32,41.77 57.52,41.77 56.1,40.35 56.1,39.91
/Peripherals/MIPI2_D1_P: length 71.5
  Top w0.15: v1(55.27,38.85) U11.N4 ; v1(91.81,26.77) 91.81,26.58 92.15,26.23 92.15,24.92 92.83,24.24 93.65,24.24 93.67,24.26 94.57,24.26
  In4.Cu w0.15: v1(55.27,38.85) 55.27,39.11 55.66,39.51 55.66,39.88 55.64,39.91
  In4.Cu w0.168: v1(91.81,26.77) 91.62,26.77 87.78,30.6 arc(87.8,30.64) 87.83,30.65 arc(87.87,30.67) 87.88,30.7 87.88,31.1 arc(87.87,31.14) 87.83,31.15 arc(87.8,31.17) 87.78,31.2 87.78,38.07 87.03,38.82 arc(86.97,38.97) 87.03,39.12 87.2,39.29 arc(87.4,39.77) 87.2,40.26 87.18,40.27 arc(86.7,40.47) 86.22,40.27 85.25,39.3 arc(85.1,39.24) 84.94,39.3 84.93,39.32 arc(84.87,39.47) 84.93,39.62 85.9,40.59 arc(86.1,41.07) 85.9,41.56 85.89,41.57 arc(85.4,41.77) 84.92,41.57 83.95,40.6 arc(83.8,40.54) 83.65,40.6 83.63,40.61 arc(83.57,40.77) 83.63,40.92 84.6,41.89 arc(84.8,42.37) 84.6,42.85 84.59,42.87 arc(84.1,43.07) 83.62,42.87 82.65,41.9 arc(82.5,41.84) 82.35,41.9 82.34,41.91 arc(82.27,42.06) 82.34,42.22 83.3,43.18 arc(83.5,43.67) 83.3,44.15 83.29,44.16 arc(82.81,44.37) 82.32,44.16 81.41,43.25 arc(81.31,43.21) 81.21,43.25 81.09,43.37 arc(81.05,43.47) 81.09,43.57 81.26,43.73 arc(81.43,44.16) 81.26,44.6 80.99,44.86 60.75,44.86 58.12,42.23 57.32,42.23 55.64,40.55 55.64,39.91
/Peripherals/MIPI2_D2_N: length 67.7
  Top w0.15: v1(90.05,30.58) 90.19,30.44 90.19,30.43 90.19,24.25 91.67,22.77 93.65,22.77 93.67,22.76 94.57,22.76 ; U11.M7 v1(52.07,37.25)
  In4.Cu w0.15: v1(52.07,37.25) 52.47,37.66 53.03,37.66 53.27,37.89 53.27,38.95
  In4.Cu w0.168: 53.27,38.95 53.27,39.2 53.15,39.32 53.15,39.7 53.71,40.25 arc(53.9,40.34) 54.09,40.25 54.2,40.15 arc(54.39,40.07) 54.59,40.15 arc(54.67,40.34) 54.59,40.54 54.48,40.64 arc(54.4,40.84) 54.48,41.03 54.79,41.34 arc(55,41.43) 55.21,41.34 55.36,41.2 arc(55.57,41.11) 55.78,41.2 arc(55.87,41.41) 55.78,41.62 55.64,41.76 arc(55.55,41.98) 55.64,42.19 59.43,45.98 82.16,45.98 90.19,37.95 90.19,30.72 v1(90.05,30.58)
/Peripherals/MIPI2_D2_P: length 67.2
  Top w0.15: v1(90.81,30.58) 90.65,30.42 90.65,24.45 91.86,23.24 93.65,23.24 93.67,23.26 94.57,23.26 ; U11.L7 v1(52.07,36.45)
  In4.Cu w0.15: v1(52.07,36.45) 51.67,36.85 51.67,37.68 51.67,38.27 51.84,38.44 52.24,38.44 52.47,38.67 52.47,39.1
  In4.Cu w0.168: v1(90.81,30.58) 90.67,30.72 90.67,38.15 82.36,46.46 59.25,46.46 52.69,39.9 52.69,39.32 52.47,39.1
/Peripherals/MIPI2_D3_N: length 68.6
  Top w0.15: U11.K7 v1(52.87,36.45) ; 94.06,21.75 94.04,21.77 92.97,20.7 92.25,20.7 v1(92.1,20.56)
  In4.Cu w0.15: v1(52.87,36.45) 53.27,36.85 53.92,36.85 54.07,37 ; 56.42,37 56.39,37 56.24,36.85 55.9,36.85 55.75,37 55.59,37 55.44,36.85 55.1,36.85 54.96,36.99 ; 58.02,37 57.87,36.85 57.51,36.85 57.36,37 57.32,37
  In4.Cu w0.168: 58.02,37 60.97,37 64.64,40.67 65.1,40.67 arc(65.2,40.63) 65.24,40.54 65.24,40.1 arc(65.41,39.67) 65.85,39.49 arc(66.28,39.67) 66.45,40.1 66.45,41.57 arc(66.49,41.67) 66.59,41.71 arc(66.68,41.67) 66.72,41.57 66.72,40.1 arc(66.9,39.67) 67.33,39.49 arc(67.76,39.67) 67.94,40.1 67.94,41.57 arc(67.98,41.67) 68.07,41.71 arc(68.17,41.67) 68.21,41.57 68.21,40.4 arc(68.36,40.04) 68.72,39.89 68.92,39.89 arc(69.28,40.04) 69.43,40.4 69.43,40.64 arc(69.44,40.66) 69.46,40.67 76.91,40.67 arc(76.95,40.58) 76.91,40.48 76.6,40.17 arc(76.42,39.74) 76.6,39.31 arc(77.03,39.13) 77.46,39.31 78.61,40.46 arc(78.71,40.5) 78.8,40.46 arc(78.84,40.37) 78.8,40.27 78.49,39.96 arc(78.31,39.53) 78.49,39.1 83.16,34.42 83.16,28.49 90.96,20.7 91.96,20.7 v1(92.1,20.56) ; 54.96,36.99 54.94,37 54.07,37 ; 56.42,37 57.32,37
/Peripherals/MIPI2_D3_P: length 69.1
  Top w0.15: v1(92.1,21.31) 92.25,21.16 92.79,21.16 93.87,22.24 94.55,22.24 ; v1(52.87,37.25) U11.L6
  In4.Cu w0.15: 57.32,37.5 57.36,37.5 57.51,37.64 57.88,37.64 58.02,37.5 ; 56.42,37.5 56.39,37.5 56.24,37.65 55.9,37.65 55.75,37.5 55.59,37.5 55.44,37.65 55.1,37.65 54.95,37.5 ; 54.07,37.5 53.92,37.65 53.5,37.65 53.1,37.25 v1(52.87,37.25)
  In4.Cu w0.168: 58.02,37.5 60.81,37.5 64.46,41.15 65.1,41.15 arc(65.53,40.97) 65.71,40.54 65.71,40.1 arc(65.75,40) 65.85,39.96 arc(65.94,40) 65.98,40.1 65.98,41.57 arc(66.16,42) 66.59,42.18 arc(67.02,42) 67.2,41.57 67.2,40.1 arc(67.24,40) 67.33,39.96 arc(67.43,40) 67.47,40.1 67.47,41.57 arc(67.64,42) 68.07,42.18 arc(68.51,42) 68.68,41.57 68.68,40.4 arc(68.69,40.37) 68.72,40.36 68.92,40.36 arc(68.94,40.37) 68.95,40.4 68.95,40.64 arc(69.1,41) 69.46,41.15 77.11,41.15 77.25,41.01 arc(77.43,40.58) 77.25,40.15 76.93,39.83 arc(76.9,39.74) 76.93,39.64 arc(77.03,39.61) 77.12,39.64 78.28,40.8 arc(78.71,40.97) 79.14,40.8 arc(79.31,40.37) 79.14,39.93 78.82,39.62 arc(78.78,39.53) 78.82,39.43 83.64,34.62 83.64,28.69 91.16,21.16 91.96,21.16 v1(92.1,21.31) ; 54.07,37.5 54.94,37.5 54.95,37.5 ; 56.42,37.5 57.32,37.5